# Altium PCB Thunderscope_Rev5.PCBDOC (part 5 of 7)
Units mm, origin at the board's own origin, x right, y up, seen from the top; angles counter-clockwise.
Board outline 119 x 103.6 mm, 6 copper layers (Top Layer, Int1 (GND), Int2 (Sign), Int3 (Sign), Int4 (GND), Bottom Layer), stack 1.49 mm thick; 745 components, 417 nets, 2478 pads, 1216 vias.
Unrouted connection lines stored in the file: 495.
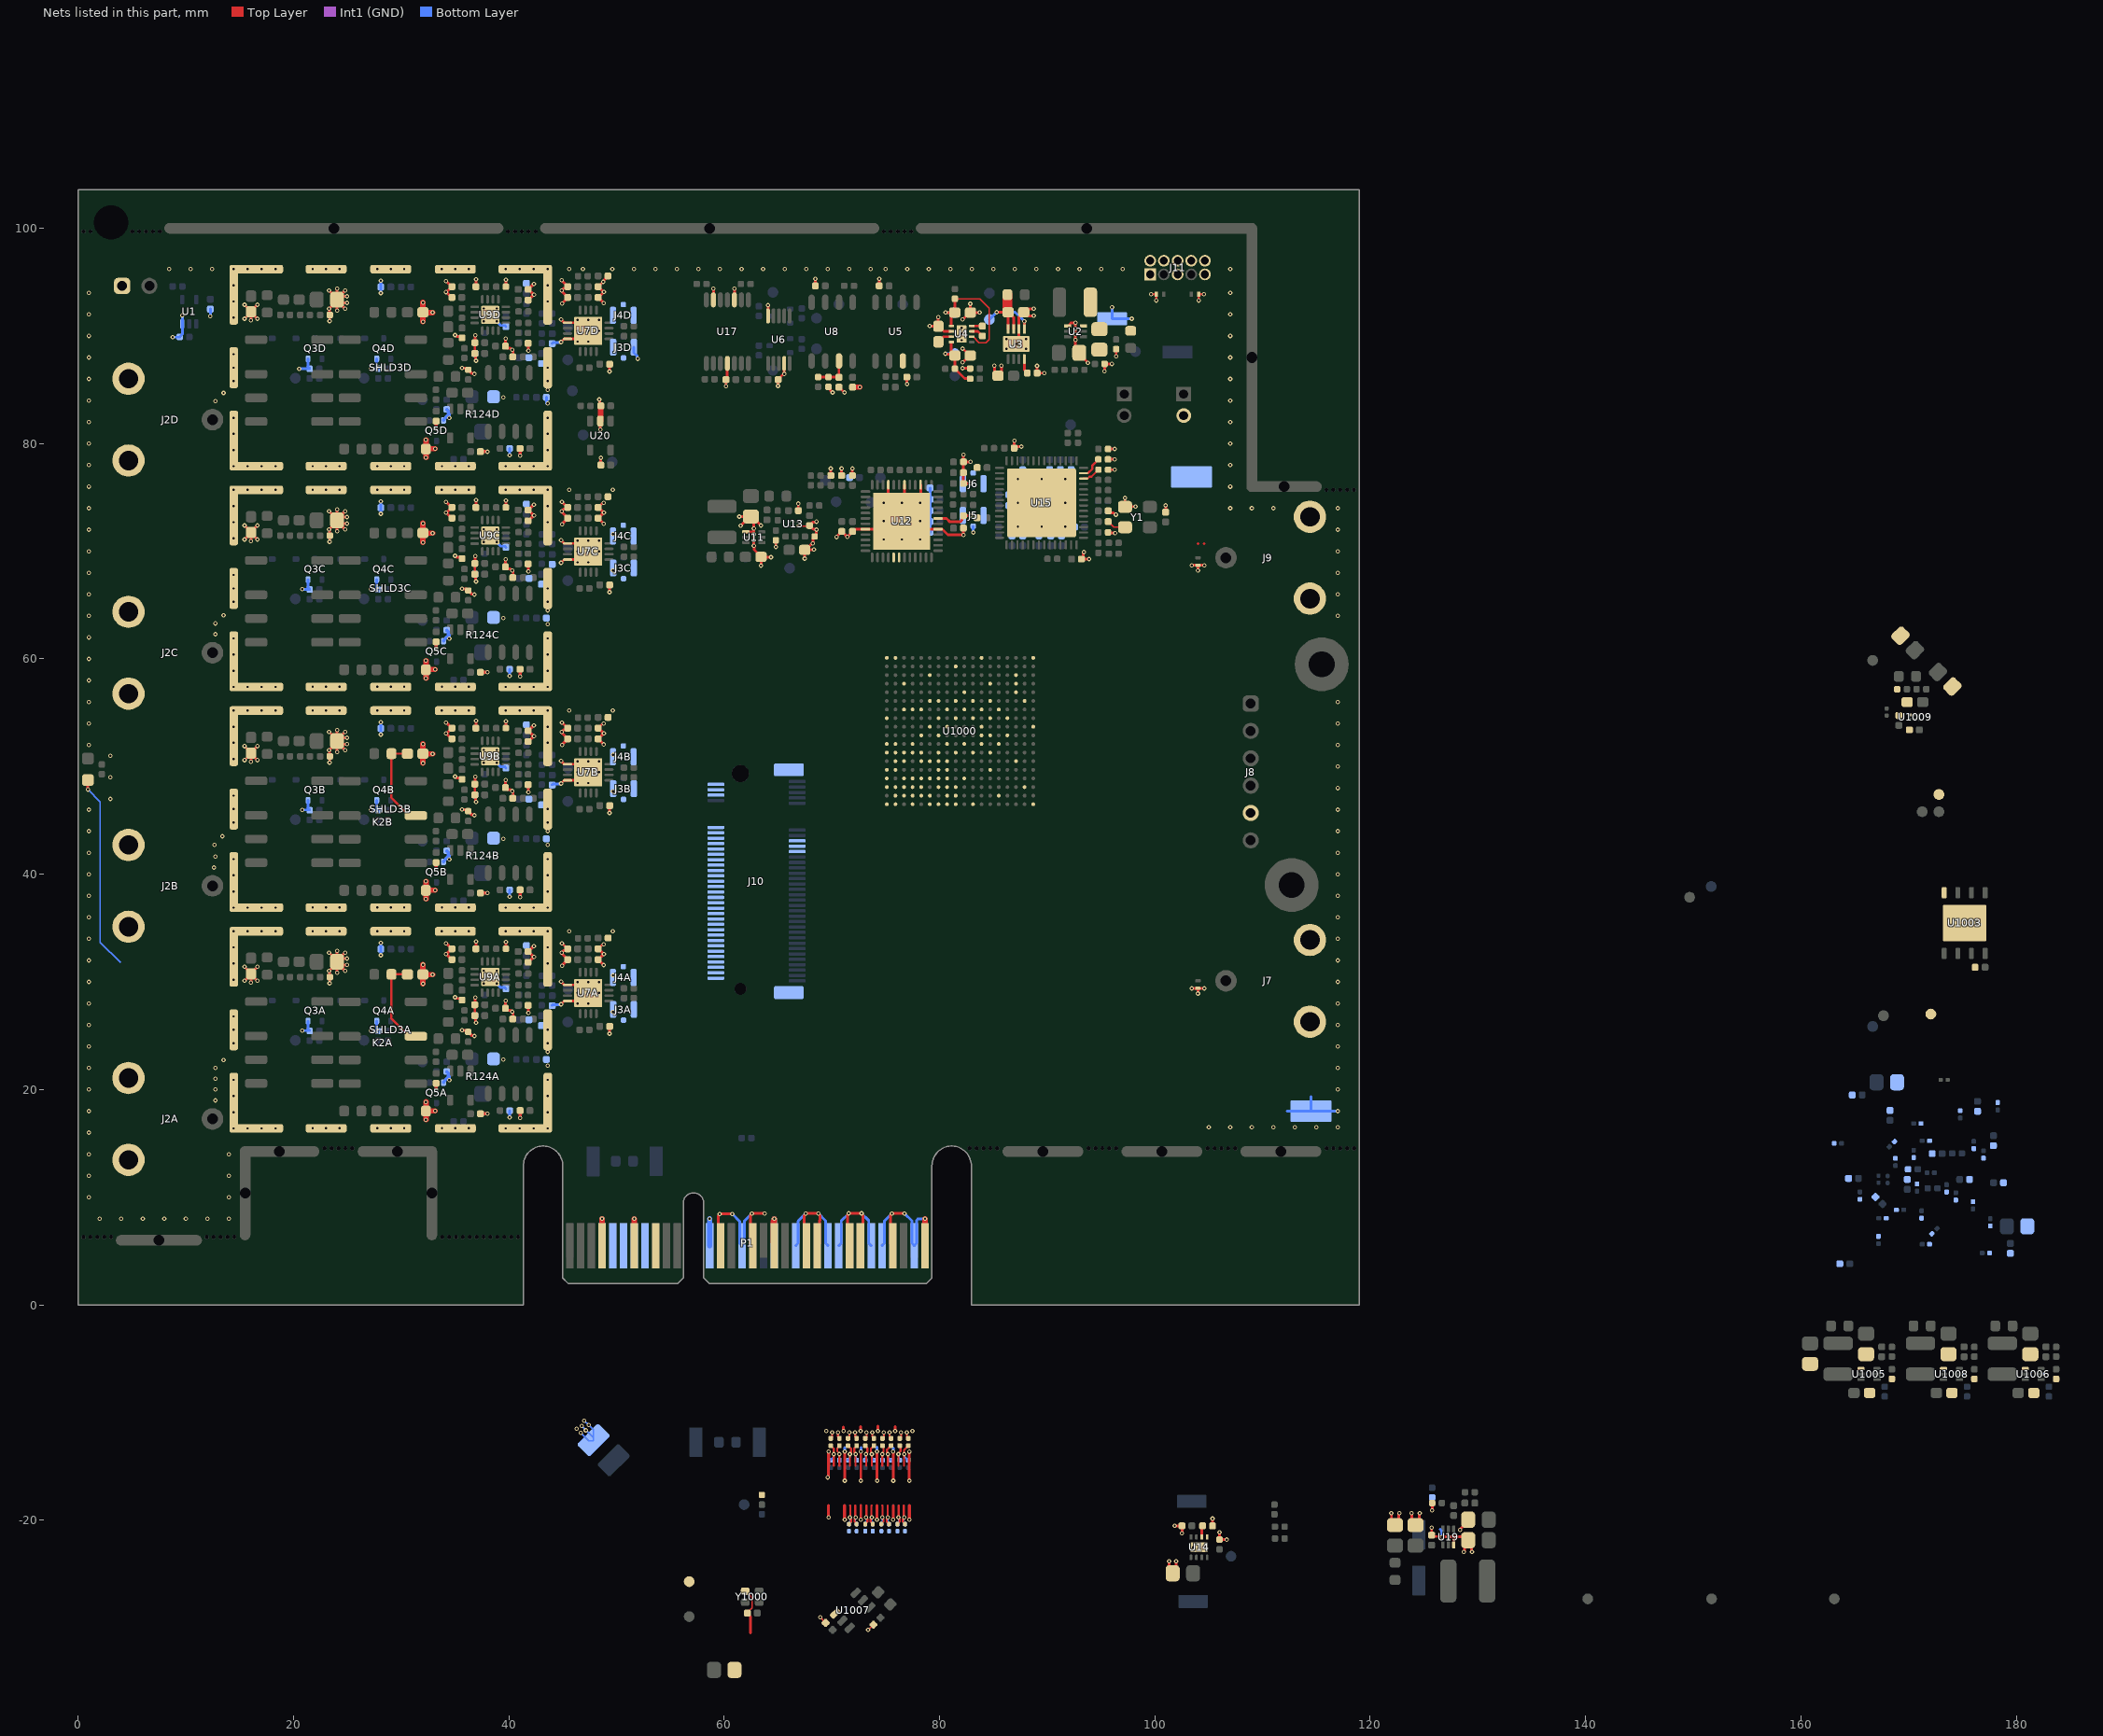
[diagram p9: the nets of this part, all layers, seen from the top]

## Via types
v1: diameter 0.406, hole 0.203, Top Layer to Bottom Layer, tented both sides, 1216 vias

## Nets (pads, with @x,y where several pads share a name; then routed paths per layer and width w, separated by ;. In a path a pad name is that pad's centre, name@x,y a point inside that pad or via, vN(x,y) a via of type N, cw(c..) or ccw(c..) an arc to the next point about the centre after c; other vN are vias at no path point) (continued)
GND: C1.2 C2.1 C3.1 C4.1 C5.1 C6.1 C7.1 C8.1 C10.1 C11.1 C12.2 C13.1 C14.1 C17.2 C18.1 C19.1 C20A.2 C20B.2 C20C.2 C20D.2 C22A.1 C22B.1 C22C.1 C22D.1 C23A.1 C23B.1 C23C.1 C23D.1 C28A.2 C28B.2 C28C.2 C28D.2 C29A.1 C29B.1 C29C.1 C29D.1 C31A.2 C31B.2 C31C.2 C31D.2 C32A.1 C32B.1 C32C.1 C32D.1 C33A.1 C33B.1 C33C.1 C33D.1 C34A.1 C34B.1 C34C.1 C34D.1 C35A.1 C35B.1 C35C.1 C35D.1 C36A.1 C36B.1 C36C.1 C36D.1 C37A.1 C37B.1 C37C.1 C37D.1 C38A.2 C38B.2 C38C.2 C38D.2 C39A.2 C39B.2 C39C.2 C39D.2 C41.1 C42.1 C43.1 C44.1 C45.1 C46.1 C47.1 C48.1 C49.1 C50.1 C52.1 C53.1 C54.1 C55.1 C56.1 C57.1 C58.1 C59.1 C60.1 C61.1 C63A.2 C63B.2 C63C.2 C63D.2 C64A.1 C64B.1 C64C.1 C64D.1 C78A.1 C78B.1 C78C.1 C78D.1 C82.2 C83.2 C84.2 C85.2 C86.2 C87.2 C88.2 C89.2 C90.2 C91.1 C92.1 C93.2 C94.2 C95.2 C97.2 C99.2 C101A.1 C101B.1 C101C.1 C101D.1 C102A.1 C102B.1 C102C.1 C102D.1 C107.1 C108A.1 C108B.1 C108C.1 C108D.1 C109A.2 C109B.2 C109C.2 C109D.2 C110A.2 C110B.2 C110C.2 C110D.2 C111A.1 C111B.1 C111C.1 C111D.1 C112.2 C113.2 C114.2 C115.2 C116.2 C119.1 C120.1 C121.2 C122.1 C123.1 C124A.2 C124B.2 C124C.2 C124D.2 C125.1 C126.1 C127A.1 C127B.1 C127C.1 C127D.1 C128A.1 C128B.1 C128C.1 C128D.1 C129A.2 C129B.2 C129C.2 C129D.2 C130A.2 C130B.2 C130C.2 C130D.2 C131A.2 C131B.2 C131C.2 C131D.2 C132A.1 C132B.1 C132C.1 C132D.1 C133A.2 C133B.2 C133C.2 C133D.2 C134.1 C1000.2 C1028.2 C1029.1 C1030.1 C1031.1 C1032.1 C1033.1 C1034.1 C1035.1 C1036.1 C1037.1 C1038.1 C1039.1 C1040.1 C1041.1 C1042.1 C1043.1 C1044.1 C1045.1 C1046.1 C1047.1 C1048.1 C1049.1 C1050.1 C1051.1 C1052.1 C1053.1 C1054.1 C1055.1 C1056.1 C1057.1 C1058.1 C1059.1 C1060.1 C1061.1 C1062.1 C1063.1 C1065.1 C1066.1 C1067.1 C1068.1 C1069.1 C1070.1 C1072.1 C1073.1 C1074.1 C1076.1 C1077.1 C1078.1 C1079.1 C1081.1 C1082.1 C1083.1 C1084.1 C1085.1 D4.2 D5.2 D6.2 D7.2 FB1000.2 J1.1 J2A.2 J2B.2 J2C.2 J2D.2 J3A.2 J3B.2 J3C.2 J3D.2 J4A.2 J4B.2 J4C.2 J4D.2 J5.2 J6.2 J7.2 J8.5 J9.2 J10.2 J10.4 J10.10 J10.16 J10.22 J10.28 J10.34 J10.40 J10.46 J10.52 J10.58 J10.70 J10.72 J10.74 J10.76 J10.77 J11.1 J11.2 J11.4 J11.5 J11.6 J11.8 J11.9 J11.10 J13.2 P1.A4 P1.A12 P1.A15 P1.A18 P1.A20 P1.A23 P1.A24 P1.A27 P1.A28 P1.A31 P1.B4 P1.B7 P1.B13 P1.B16 P1.B18 P1.B21 P1.B22 P1.B25 P1.B26 P1.B29 P1.B32 Q3A.3 Q3B.3 Q3C.3 Q3D.3 Q4A.3 Q4B.3 Q4C.3 Q4D.3 Q5A.3 Q5B.3 Q5C.3 Q5D.3 R2.1 R6.2 R13.1 R25.1 R26.1 R27.1 R35A.1 R35B.1 R35C.1 R35D.1 R38.1 R39.1 R41A.1 R41B.1 R41C.1 R41D.1 R46.2 R49A.1 R49B.1 R49C.1 R49D.1 R50A.1 R50B.1 R50C.1 R50D.1 R61.1 R92.1 R105.1 R114.1 R115.2 R120A.1 R120B.1 R120C.1 R120D.1 R122A.1 R122B.1 R122C.1 R122D.1 R123A.1 R123B.1 R123C.1 R123D.1 R124A.3 R124B.3 R124C.3 R124D.3 R127A.1 R127B.1 R127C.1 R127D.1 R1049.1 R1054.1 R1060.1 R1061.1 SHLD3A.1 SHLD3B.1 SHLD3C.1 SHLD3D.1 TP5.1 TP6.1 TP1003.1 TP1010.1 TP1012.1 U1.3 U2.4 U3.6 U3.9 U4.2 U4.9 U5.3 U6.4 U6.10 U7A.5 U7A.8 U7A.17 U7B.5 U7B.8 U7B.17 U7C.5 U7C.8 U7C.17 U7D.5 U7D.8 U7D.17 U9A.17 U9B.17 U9C.17 U9D.17 U11.1 U12.8 U12.29 U12.31 U12.39 U12.42 U12.45 U12.49 U13.C1 U14.5 U14.9 U15.57 U17.3 U17.6 U17.11 U19.3 U20.2 U1000.A1 U1000.A5 U1000.A7 U1000.A8 U1000.A11 U1000.A18 U1000.B3 U1000.B7 U1000.B8 U1000.B18 U1000.C2 U1000.C6 U1000.C7 U1000.C15 U1000.D3 U1000.D4 U1000.D7 U1000.D12 U1000.E2 U1000.E6 U1000.E7 U1000.E9 U1000.E12 U1000.F4 U1000.F6 U1000.F10 U1000.F13 U1000.F16 U1000.G1 U1000.G5 U1000.G6 U1000.G7 U1000.G9 U1000.G11 U1000.G13 U1000.H3 U1000.H4 U1000.H5 U1000.H6 U1000.H8 U1000.H10 U1000.H12 U1000.J1 U1000.J2 U1000.J3 U1000.J7 U1000.J11 U1000.J13 U1000.J17 U1000.K4 U1000.K8 U1000.K12 U1000.K14 U1000.L1 U1000.L7 U1000.L11 U1000.L13 U1000.M8 U1000.M9 U1000.M10 U1000.M12 U1000.M18 U1000.N5 U1000.N7 U1000.N9 U1000.N11 U1000.N13 U1000.N15 U1000.P2 U1000.P8 U1000.P12 U1000.R9 U1000.R11 U1000.T6 U1000.T16 U1000.U3 U1000.U13 U1000.V1 U1000.V10 U1000.V18 U1003.4 U1003.9 U1005.1 U1006.1 U1007.4 U1008.1 U1009.C1 Y1.2 Y1000.2 | length 478.7
  Top Layer w0.127: Y1000.2@61.996,-26.596 62.604,-27.204 62.604,-28.163 C1000.2@62.144,-28.623 ; U13.C1@66.825,72.35 C61.1@67.925,72.35 ; v1(68.912,-29.009) 68.912,-29.018 69.416,-29.523 C1076.1@69.416,-29.533 C1076.1@69.423,-29.533 ; v1@73.371,-30.184 C1077.1@73.851,-29.704 ; U15.57@89.475,74.5 U15.57@92.225,77.25
  Top Layer w0.25: v1(34.167,32.575) v1@34.197,32.575 ; v1(34.167,53.075) v1@34.197,53.075 ; v1(34.167,73.575) v1@34.197,73.575 ; v1(34.167,94.075) v1@34.197,94.075 ; v1@34.198,33.575 C38A.2@34.697,33.075 ; v1@34.198,54.075 C38B.2@34.697,53.575 ; v1@34.198,74.575 C38C.2@34.697,74.075 ; v1@34.198,95.075 C38D.2@34.697,94.575 ; C63A.2@34.715,32.07 34.702,32.07 v1@34.197,32.575 ; C38A.2@34.715,33.075 C38A.2@34.697,33.075 ; C63B.2@34.715,52.57 34.702,52.57 v1@34.197,53.075 ; C38B.2@34.715,53.575 C38B.2@34.697,53.575 ; C63C.2@34.715,73.07 34.702,73.07 v1@34.197,73.575 ; C38C.2@34.715,74.075 C38C.2@34.697,74.075 ; C63D.2@34.715,93.57 34.702,93.57 v1@34.197,94.075 ; C38D.2@34.715,94.575 C38D.2@34.697,94.575 ; v1(35.65,25.525) 35.68,25.495 R122A.1@36.093,25.495 ; v1(35.65,46.025) 35.68,45.995 R122B.1@36.093,45.995 ; v1(35.65,66.525) 35.68,66.495 R122C.1@36.093,66.495 ; v1(35.65,87.025) 35.68,86.995 R122D.1@36.093,86.995 ; R122A.1@36.225,25.35 36.236,25.35 36.581,25.005 36.745,25.005 v1@36.775,24.975 ; R122B.1@36.225,45.85 36.236,45.85 36.581,45.505 36.745,45.505 v1@36.775,45.475 ; R122C.1@36.225,66.35 36.236,66.35 36.581,66.005 36.745,66.005 v1@36.775,65.975 ; R122D.1@36.225,86.85 36.236,86.85 36.581,86.505 36.745,86.505 v1@36.775,86.475 ; v1(36.875,28.551) 36.858,28.533 36.858,27.893 C108A.1@36.84,27.875 C109A.2@36.84,26.875 36.92,26.795 36.92,26.23 v1(36.95,26.2) ; v1(36.875,49.051) 36.858,49.033 36.858,48.393 C108B.1@36.84,48.375 C109B.2@36.84,47.375 36.92,47.295 36.92,46.73 v1(36.95,46.7) ; v1(36.875,69.551) 36.858,69.533 36.858,68.893 C108C.1@36.84,68.875 C109C.2@36.84,67.875 36.92,67.795 36.92,67.23 v1(36.95,67.2) ; v1(36.875,90.051) 36.858,90.033 36.858,89.393 C108D.1@36.84,89.375 C109D.2@36.84,88.375 36.92,88.295 36.92,87.73 v1(36.95,87.7) ; C64A.1@36.94,33.075 36.945,33.08 36.945,33.746 v1(36.95,33.751) ; C64B.1@36.94,53.575 36.945,53.58 36.945,54.246 v1(36.95,54.251) ; C64C.1@36.94,74.075 36.945,74.08 36.945,74.746 v1(36.95,74.751) ; C64D.1@36.94,94.575 36.945,94.58 36.945,95.246 v1(36.95,95.251) ; v1(39.7,28.25) 39.693,28.243 39.693,27.558 C127A.1@39.685,27.55 39.858,27.377 40.131,27.377 40.283,27.225 v1(40.325,27.225) 40.325,27.183 40.396,27.112 C37A.1@40.396,26.832 ; v1(39.7,48.75) 39.693,48.743 39.693,48.058 C127B.1@39.685,48.05 39.858,47.877 40.131,47.877 40.283,47.725 v1(40.325,47.725) 40.325,47.683 40.396,47.612 C37B.1@40.396,47.332 ; v1(39.7,69.25) 39.693,69.243 39.693,68.558 C127C.1@39.685,68.55 39.858,68.377 40.131,68.377 40.283,68.225 v1(40.325,68.225) 40.325,68.183 40.396,68.112 C37C.1@40.396,67.832 ; v1(39.7,89.75) 39.693,89.743 39.693,89.058 C127D.1@39.685,89.05 39.858,88.877 40.131,88.877 40.283,88.725 v1(40.325,88.725) 40.325,88.683 40.396,88.612 C37D.1@40.396,88.332 ; C28A.2@41.785,27.825 41.8,27.81 41.8,27.15 v1(41.815,27.135) ; C28B.2@41.785,48.325 41.8,48.31 41.8,47.65 v1(41.815,47.635) ; C28C.2@41.785,68.825 41.8,68.81 41.8,68.15 v1(41.815,68.135) ; C28D.2@41.785,89.325 41.8,89.31 41.8,88.65 v1(41.815,88.635) ; v1(44.85,27.925) 45.15,28.225 U7A.17@46.625,28.225 ; v1(44.85,30.025) 45.15,29.725 U7A.5@45.45,29.725 46.625,29.725 v1(47.375,28.975) ; v1(44.85,48.425) 45.15,48.725 U7B.17@46.625,48.725 ; v1(44.85,50.525) 45.15,50.225 U7B.5@45.45,50.225 46.625,50.225 v1(47.375,49.475) ; v1(44.85,68.925) 45.15,69.225 U7C.17@46.625,69.225 ; v1(44.85,71.025) 45.15,70.725 U7C.5@45.45,70.725 46.625,70.725 v1(47.375,69.975) ; v1(44.85,89.425) 45.15,89.725 U7D.17@46.625,89.725 ; v1(44.85,91.525) 45.15,91.225 U7D.5@45.45,91.225 U7D.17@46.625,91.225 ; v1(87.125,89.25) 87.375,89.5 U3.6@87.375,90.645 87.375,91.744 87.82,92.189 C6.1@87.82,92.2 ; v1@34.198,32.575 C38A.2@34.697,33.075 ; v1@34.198,53.075 C38B.2@34.697,53.575 ; v1@34.198,73.575 C38C.2@34.697,74.075 ; v1@34.198,94.075 C38D.2@34.697,94.575
  Top Layer w0.254: v1(15.45,30.1) C22A.1@16.05,30.7 ; v1(15.45,31.4) C22A.1@16.05,30.8 ; v1(15.45,50.6) C22B.1@16.05,51.2 ; v1(15.45,51.9) C22B.1@16.05,51.3 ; v1(15.45,71.1) C22C.1@16.05,71.7 ; v1(15.45,72.4) C22C.1@16.05,71.8 ; v1(15.45,91.6) C22D.1@16.05,92.2 ; v1(15.45,92.9) C22D.1@16.05,92.3 ; v1(16.05,29.95) C22A.1@16.05,30.7 ; v1(16.05,50.45) C22B.1@16.05,51.2 ; v1(16.05,70.95) C22C.1@16.05,71.7 ; v1(16.05,91.45) C22D.1@16.05,92.2 ; v1(16.65,30.1) C22A.1@16.05,30.7 ; v1(16.65,31.4) C22A.1@16.05,30.8 ; v1(16.65,50.6) C22B.1@16.05,51.2 ; v1(16.65,51.9) C22B.1@16.05,51.3 ; v1(16.65,71.1) C22C.1@16.05,71.7 ; v1(16.65,72.4) C22C.1@16.05,71.8 ; v1(16.65,91.6) C22D.1@16.05,92.2 ; v1(16.65,92.9) C22D.1@16.05,92.3 ; v1(23.3,32.725) C23A.1@24.05,31.975 ; v1(23.3,53.225) C23B.1@24.05,52.475 ; v1(23.3,73.725) C23C.1@24.05,72.975 ; v1(23.3,94.225) C23D.1@24.05,93.475 ; v1(23.35,29.875) 23.362,29.887 23.362,30.437 R35A.1@23.375,30.45 23.329,30.496 23.329,30.996 v1(23.3,31.025) C23A.1@24.05,31.775 ; v1(23.35,50.375) 23.362,50.387 23.362,50.937 R35B.1@23.375,50.95 23.329,50.996 23.329,51.496 v1(23.3,51.525) C23B.1@24.05,52.275 ; v1(23.35,70.875) 23.362,70.887 23.362,71.437 R35C.1@23.375,71.45 23.329,71.496 23.329,71.996 v1(23.3,72.025) C23C.1@24.05,72.775 ; v1(23.35,91.375) 23.362,91.387 23.362,91.937 R35D.1@23.375,91.95 23.329,91.996 23.329,92.496 v1(23.3,92.525) C23D.1@24.05,93.275 ; v1(24.05,30.85) C23A.1@24.05,31.775 ; v1(24.05,32.9) C23A.1@24.05,31.975 ; v1(24.05,51.35) C23B.1@24.05,52.275 ; v1(24.05,53.4) C23B.1@24.05,52.475 ; v1(24.05,71.85) C23C.1@24.05,72.775 ; v1(24.05,73.9) C23C.1@24.05,72.975 ; v1(24.05,92.35) C23D.1@24.05,93.275 ; v1(24.05,94.4) C23D.1@24.05,93.475 ; C23A.1@24.349,32.174 v1@24.974,32.174 ; C23B.1@24.349,52.674 v1@24.974,52.674 ; C23C.1@24.349,73.174 v1@24.974,73.174 ; C23D.1@24.349,93.674 v1@24.974,93.674 ; v1(24.8,31.025) C23A.1@24.05,31.775 ; v1(24.8,32.725) C23A.1@24.05,31.975 ; v1(24.8,51.525) C23B.1@24.05,52.275 ; v1(24.8,53.225) C23B.1@24.05,52.475 ; v1(24.8,72.025) C23C.1@24.05,72.775 ; v1(24.8,73.725) C23C.1@24.05,72.975 ; v1(24.8,92.525) C23D.1@24.05,93.275 ; v1(24.8,94.225) C23D.1@24.05,93.475 ; v1(24.975,31.575) 24.974,31.576 24.349,31.576 C23A.1@24.05,31.875 ; v1(24.975,52.075) 24.974,52.076 24.349,52.076 C23B.1@24.05,52.375 ; v1(24.975,72.575) 24.974,72.576 24.349,72.576 C23C.1@24.05,72.875 ; v1(24.975,93.075) 24.974,93.076 24.349,93.076 C23D.1@24.05,93.375 ; v1(35,28.575) 35.041,28.575 35.154,28.462 35.485,28.462 C29A.1@35.632,28.315 ; v1(35,49.075) 35.041,49.075 35.154,48.962 35.485,48.962 C29B.1@35.632,48.815 ; v1(35,69.575) 35.041,69.575 35.154,69.462 35.485,69.462 C29C.1@35.632,69.315 ; v1(35,90.075) 35.041,90.075 35.154,89.962 35.485,89.962 C29D.1@35.632,89.815 ; R120A.1@39.725,33.075 v1(39.725,33.705) ; R120B.1@39.725,53.575 v1(39.725,54.205) ; R120C.1@39.725,74.075 v1(39.725,74.705) ; R120D.1@39.725,94.575 v1(39.725,95.205) ; C39A.2@41.785,32.825 C39A.2@41.803,32.825 ; C39B.2@41.785,53.325 C39B.2@41.803,53.325 ; C39C.2@41.785,73.825 C39C.2@41.803,73.825 ; C39D.2@41.785,94.325 C39D.2@41.803,94.325 ; C78A.1@41.93,31.68 C78A.1@41.785,31.825 41.803,31.825 42.299,32.321 v1@42.307,32.321 ; C78B.1@41.93,52.18 C78B.1@41.785,52.325 41.803,52.325 42.299,52.821 v1@42.307,52.821 ; C78C.1@41.93,72.68 C78C.1@41.785,72.825 41.803,72.825 42.299,73.321 v1@42.307,73.321 ; C78D.1@41.93,93.18 C78D.1@41.785,93.325 41.803,93.325 42.299,93.821 v1@42.307,93.821 ; v1(42.325,33.325) 42.303,33.325 C39A.2@41.803,32.825 ; v1(42.325,53.825) 42.303,53.825 C39B.2@41.803,53.325 ; v1(42.325,74.325) 42.303,74.325 C39C.2@41.803,73.825 ; v1(42.325,94.825) 42.303,94.825 C39D.2@41.803,94.325 ; v1(42.336,32.321) v1@42.307,32.321 ; v1(42.336,52.821) v1@42.307,52.821 ; v1(42.336,73.321) v1@42.307,73.321 ; v1(42.336,93.821) v1@42.307,93.821 ; v1(44.9,95.175) 44.9,95.158 45.465,94.592 C34D.1@45.465,94.575 45.292,94.402 45.077,94.402 v1(44.9,94.225) 44.929,94.196 44.929,94.124 45.465,93.588 45.465,93.557 44.99,93.082 44.99,93.022 v1(44.961,92.993) ; v1(44.933,33.592) 44.94,33.592 45.457,33.075 C34A.1@45.465,33.075 45.292,32.902 45.077,32.902 v1(44.9,32.725) 44.929,32.696 44.929,32.624 45.465,32.088 45.465,32.057 44.99,31.582 44.99,31.522 v1(44.961,31.493) ; v1(44.933,54.092) 44.94,54.092 45.457,53.575 C34B.1@45.465,53.575 45.292,53.402 45.077,53.402 v1(44.9,53.225) 44.929,53.196 44.929,53.124 45.465,52.588 45.465,52.557 44.99,52.082 44.99,52.022 v1(44.961,51.993) ; v1(44.933,74.592) 44.94,74.592 45.457,74.075 C34C.1@45.465,74.075 45.292,73.902 45.077,73.902 v1(44.9,73.725) 44.929,73.696 44.929,73.624 45.465,73.088 45.465,73.057 44.99,72.582 44.99,72.522 v1(44.961,72.493) ; C33A.1@48.285,32.075 C33A.1@48.293,32.075 ; C33B.1@48.285,52.575 C33B.1@48.293,52.575 ; C33C.1@48.285,73.075 C33C.1@48.293,73.075 ; C33D.1@48.285,93.575 C33D.1@48.293,93.575 ; C35A.1@48.293,33.075 C35A.1@48.303,33.075 ; C35B.1@48.293,53.575 C35B.1@48.303,53.575 ; C35D.1@48.293,94.575 C35D.1@48.303,94.575 ; v1(48.397,84.097) 48.426,84.067 48.426,83.614 C125.1@48.54,83.5 ; v1(48.5,81.3) U20.2@48.5,82.1 ; C126.1@48.54,78 48.54,78.665 v1(48.55,78.675) ; v1(48.8,33.5) 48.771,33.471 48.699,33.471 C35A.1@48.303,33.075 ; v1(48.8,54) 48.771,53.971 48.699,53.971 C35B.1@48.303,53.575 ; v1(48.8,74.5) 48.771,74.471 48.699,74.471 C35C.1@48.303,74.075 ; v1(48.818,31.559) 48.809,31.559 C33A.1@48.293,32.075 ; v1(48.818,52.059) 48.809,52.059 C33B.1@48.293,52.575 ; v1(48.818,72.559) 48.809,72.559 C33C.1@48.293,73.075 ; v1(48.818,93.059) 48.809,93.059 C33D.1@48.293,93.575 ; v1(48.836,32.579) v1@48.807,32.579 ; v1(48.836,53.079) v1@48.807,53.079 ; v1(48.836,73.579) v1@48.807,73.579 ; v1(48.836,94.079) v1@48.807,94.079 ; C132D.1@49.21,95.575 49.21,95.557 48.804,95.151 48.804,95.054 v1(48.775,95.025) 48.753,95.025 C35D.1@48.303,94.575 ; v1(49.35,25.199) 49.355,25.204 49.355,25.87 C36A.1@49.36,25.875 ; v1(49.35,45.699) 49.355,45.704 49.355,46.37 C36B.1@49.36,46.375 ; v1(49.35,66.199) 49.355,66.204 49.355,66.87 C36C.1@49.36,66.875 ; v1(49.35,86.699) 49.355,86.704 49.355,87.37 C36D.1@49.36,87.375 ; U17.6@59,93.35 v1(59,94.4) ; P1.B13@59.65,5.5 59.439,5.711 59.439,8.272 59.575,8.409 v1(59.575,8.45) 59.592,8.467 60.734,8.467 v1(60.75,8.45) ; v1@60.165,85.326 C107.1@60.165,85.95 60.262,86.047 60.262,87.412 U17.11@60.3,87.45 ; U17.3@60.95,93.35 v1(60.95,94.4) ; v1(61.395,73.225) C53.1@62.475,73.225 ; v1(61.525,72.375) 62.263,73.113 C53.1@62.288,73.113 ; Y1000.2@61.95,-26.6 Y1000.2@61.996,-26.554 ; U11.1@62.01,71.8 62.75,71.8 ; C1000.2@62.144,-28.623 62.144,-28.641 62.429,-28.926 62.429,-30.473 ; P1.B16@62.65,5.5 62.439,5.711 62.439,8.317 62.575,8.453 v1(62.575,8.494) 62.592,8.511 63.734,8.511 v1(63.75,8.494) ; v1(63.425,68.67) C52.1@63.425,69.475 ; v1(63.425,72.4) 63.412,72.4 62.737,73.076 C53.1@62.624,73.076 ; U6.10@64.075,91.85 v1(64.075,92.85) ; v1(64.35,69.45) 64.338,69.463 63.437,69.463 C52.1@63.425,69.475 ; 64.427,7.818 64.427,5.723 P1.B18@64.65,5.5 ; v1(64.8,70.4) R39.1@64.8,71.025 ; v1(64.995,85.35) 65.002,85.357 65.002,85.975 65.474,86.446 65.546,86.446 v1(65.575,86.475) U6.4@65.575,87.45 ; v1(66.875,74.425) 66.88,74.42 66.88,73.78 C59.1@66.885,73.775 ; v1(67.475,69.32) C60.1@67.475,70.125 67.667,70.125 67.692,70.15 67.704,70.138 68.318,70.138 v1(68.33,70.15) ; C60.1@67.64,70.202 68.133,70.696 68.196,70.696 v1(68.225,70.725) 68.254,70.754 68.254,71.229 68.542,71.517 68.542,71.981 v1(68.571,72.01) 68.525,72.056 68.277,72.056 C61.1@67.943,72.39 ; P1.B21@67.65,5.5 67.439,5.711 67.439,8.306 67.575,8.443 v1(67.575,8.484) 67.592,8.5 68.734,8.5 v1(68.75,8.484) 68.75,8.443 68.886,8.306 68.886,7.854 68.873,7.84 68.873,5.723 P1.B22@68.65,5.5 ; C61.1@67.925,72.39 C61.1@67.943,72.39 ; C17.2@68.465,94.65 68.467,94.652 68.467,95.298 v1(68.47,95.3) ; v1(68.575,72.75) 68.534,72.75 68.495,72.711 68.264,72.711 C61.1@67.943,72.39 ; v1(69.616,-16.02) 69.616,-15.979 69.669,-15.926 69.669,-14.963 69.692,-14.94 ; R25.1@69.675,85.275 69.834,85.116 69.834,84.991 v1(70.075,84.75) ; 69.692,-18.64 69.695,-18.644 69.695,-19.717 v1(69.699,-19.72) ; v1(69.9,77.687) 69.904,77.683 69.904,77.04 C42.1@69.907,77.037 ; v1(70.427,71.319) 70.427,71.33 70.922,71.825 C50.1@70.925,71.825 ; C19.1@70.65,85.225 70.683,85.225 71.158,84.75 v1(71.175,84.75) ; v1(70.9,77.687) 70.904,77.683 70.904,77.076 C44.1@70.925,77.054 ; C50.1@70.925,71.84 C50.1@70.925,71.833 ; v1(71.074,-11.712) 71.074,-11.337 ; v1@71.192,-16.329 71.192,-14.94 v1(71.192,-13.634) ; v1(71.425,71.325) v1@71.425,71.332 ; P1.B25@71.65,5.5 71.439,5.711 71.439,8.328 71.575,8.464 v1(71.575,8.506) 71.592,8.522 72.734,8.522 v1(72.75,8.506) 72.75,8.464 72.886,8.328 72.886,7.876 72.873,7.862 72.873,5.723 P1.B26@72.65,5.5 ; v1(71.9,77.687) 71.904,77.683 71.904,77.04 C46.1@71.907,77.037 ; v1(72.674,-11.712) 72.674,-11.287 ; v1(72.692,-19.946) 72.692,-18.64 ; v1@72.692,-16.329 72.692,-14.94 v1(72.692,-13.634) ; v1(74.192,-19.946) 74.192,-18.64 ; v1@74.192,-16.329 74.192,-14.94 v1(74.192,-13.634) ; v1(74.274,-11.712) 74.274,-11.262 ; C12.2@74.395,94.65 74.398,94.653 74.398,95.298 v1(74.4,95.3) ; U12.49@75.243,74.05 U12.45@75.243,76.175 ; P1.B29@75.65,5.5 75.439,5.711 75.439,8.314 75.575,8.45 v1(75.575,8.492) 75.592,8.508 76.734,8.508 v1(76.75,8.492) ; v1(75.692,-19.946) 75.692,-18.64 ; v1@75.692,-16.329 75.692,-14.94 v1(75.692,-13.634) ; v1(75.874,-11.712) 75.874,-11.287 ; U12.49@76.743,73.05 U12.42@76.743,76.175 ; C14.1@76.97,86.175 76.973,86.173 76.973,85.527 v1(76.975,85.525) ; v1@77.192,-16.329 77.192,-14.94 ; 77.192,-14.939 v1(77.193,-13.637) ; U12.49@78.243,74.55 U12.39@78.243,76.175 ; v1(79.085,90.925) 79.098,90.913 79.878,90.913 C11.1@79.883,90.908 ; U12.31@79.868,73.05 80.642,73.05 80.966,72.726 81.917,72.726 82.065,72.875 82.065,73.148 C56.1@82.217,73.3 v1(82.875,73.3) ; v1(79.875,91.756) 79.883,91.748 C11.1@79.883,90.908 ; U4.2@81.091,90.426 80.375,90.426 79.9,90.901 C11.1@79.891,90.901 C11.1@79.883,90.908 ; v1(82.15,87) 82.162,86.988 82.828,86.988 R13.1@82.841,86.976 ; v1(82.15,87.55) 82.17,87.55 82.796,88.176 C5.1@82.808,88.176 ; v1(82.15,88.825) 82.158,88.825 C5.1@82.808,88.176 ; v1(82.15,91.525) 82.801,92.176 C8.1@82.866,92.176 82.858,92.183 82.858,92.973 v1(82.85,92.981) ; C48.1@82.217,72.3 C48.1@82.221,72.296 ; v1(82.217,78.95) C41.1@82.217,78.3 ; v1@82.221,71.504 C48.1@82.221,72.146 ; v1(82.225,71.5) 82.197,71.528 80.772,71.528 80.25,72.05 U12.29@79.868,72.05 77.243,72.05 U12.49@76.493,72.8 75.743,72.05 U12.8@73.118,72.05 72.153,72.05 71.943,71.84 C47.1@71.925,71.84 71.925,71.833 71.426,71.333 v1@71.424,71.333 ; C5.1@82.866,88.176 C5.1@82.808,88.176 ; C8.1@82.866,92.176 v1(83.721,92.175) ; v1(82.867,76.3) C45.1@82.217,76.3 C41.1@82.217,78.3 ; v1(82.867,78.3) C41.1@82.217,78.3 ; C7.1@85.1,86.38 v1(85.1,87.23) ; C7.1@85.75,86.38 v1(85.75,87.23) ; v1(86.95,80.25) 86.943,80.243 86.943,79.582 C112.2@86.935,79.575 87.085,79.725 v1(87.6,79.725) ; C6.1@87.9,91.875 v1(88.75,91.875) ; C6.1@87.9,92.525 v1(88.75,92.525) ; v1(89.06,87.225) C10.1@89.06,86.55 v1(89.735,86.55) ; U2.4@91.885,90.925 92.07,90.925 92.093,90.948 92.093,91.076 92.242,91.225 v1(92.625,91.225) v1(92.625,90.692) v1(92.625,90.158) v1(92.625,89.625) 92.625,88.775 C3.1@92.975,88.425 ; C3.1@93.075,88.325 C3.1@92.975,88.425 ; v1(93.4,69.925) 93.4,69.884 93.358,69.841 93.358,69.448 C86.2@93.185,69.275 v1(93.875,69.275) ; v1(93.775,87.5) 93.775,87.513 92.975,88.312 C3.1@92.975,88.425 ; v1(95.325,86.725) R105.1@95.325,87.4 v1(96,87.4) ; R27.1@95.621,78.532 95.624,78.536 96.267,78.536 v1(96.271,78.54) ; R26.1@95.625,77.571 95.629,77.575 96.272,77.575 v1(96.276,77.579) ; R92.1@95.625,79.496 95.629,79.5 96.272,79.5 v1(96.276,79.504) ; C97.2@95.639,71.75 95.685,71.704 96.271,71.704 v1(96.3,71.675) ; C99.2@95.639,73.75 95.812,73.577 96.156,73.577 96.334,73.4 v1(96.375,73.4) ; v1(96.4,88.1) R6.2@96.4,88.775 ; v1(97.221,74.951) 97.225,74.947 97.225,74.304 Y1.2@97.229,74.3 ; Y1.2@97.55,74.146 97.554,74.15 98.197,74.15 v1(98.201,74.154) ; v1(99.645,93.875) D6.2@100.125,93.875 v1(100.125,93.295) ; v1(100.996,74.261) 101,74.257 101,73.614 C116.2@101.004,73.61 ; C91.1@101.325,-24.67 v1(101.325,-23.82) ; v1(101.84,-20.525) C92.1@102.515,-20.525 v1(102.515,-21.2) ; C91.1@101.975,-24.67 v1(101.975,-23.82) ; v1(103.42,29.4) D4.2@104,29.4 ; v1(103.42,68.7) D5.2@104,68.7 ; v1(104,28.92) D4.2@104,29.4 ; v1(104,68.22) D5.2@104,68.7 ; v1(104.075,93.295) D7.2@104.075,93.875 v1(104.555,93.875) ; v1(104.58,29.4) D4.2@104,29.4 ; v1(104.58,68.7) D5.2@104,68.7 ; C4.1@105.35,-20.525 v1(105.35,-19.85) ; v1(106,-21.125) R38.1@106,-21.8 v1(106.675,-21.8) ; C119.1@121.976,-20.126 v1@121.976,-19.376 ; C119.1@122.661,-20.089 v1@122.661,-19.389 ; C120.1@123.876,-20.126 v1@123.876,-19.376 ; C120.1@124.561,-20.089 v1@124.561,-19.389 ; v1(125.7,-20.7) C121.2@125.7,-21.39 125.821,-21.511 126.611,-21.511 v1(126.65,-21.55) v1(127.25,-21.55) 127.6,-21.55 ; v1(125.75,-19.09) R114.1@125.75,-18.4 ; U19.3@127.75,-22.29 127.75,-21.7 127.6,-21.55 ; v1(128.35,-20.9) 128.35,-20.85 129.1,-20.1 C123.1@129.1,-19.95 ; v1(128.7,-22.95) 128.739,-22.911 128.739,-22.211 C122.1@129.1,-21.85 ; v1(129.45,-22.95) 129.424,-22.924 129.424,-22.174 C122.1@129.1,-21.85 ; C22A.1@16.05,30.7 C22A.1@16.05,30.75 ; C22A.1@16.05,30.7 C22A.1@16.05,30.75 ; C22A.1@16.05,30.75 C22A.1@16.05,30.8 ; C22A.1@16.05,30.75 C22A.1@16.05,30.8 ; C22B.1@16.05,51.2 C22B.1@16.05,51.25 ; C22B.1@16.05,51.2 C22B.1@16.05,51.25 ; C22B.1@16.05,51.25 C22B.1@16.05,51.3 ; C22B.1@16.05,51.25 C22B.1@16.05,51.3 ; C22C.1@16.05,71.7 C22C.1@16.05,71.75 ; C22C.1@16.05,71.7 C22C.1@16.05,71.75 ; C22C.1@16.05,71.75 C22C.1@16.05,71.8 ; C22C.1@16.05,71.75 C22C.1@16.05,71.8 ; C22D.1@16.05,92.2 C22D.1@16.05,92.25 ; C22D.1@16.05,92.2 C22D.1@16.05,92.25 ; C22D.1@16.05,92.25 C22D.1@16.05,92.3 ; C22D.1@16.05,92.25 C22D.1@16.05,92.3 ; C23A.1@24.05,31.775 C23A.1@24.05,31.875 ; C23A.1@24.05,31.875 C23A.1@24.05,31.975 ; C23B.1@24.05,52.275 C23B.1@24.05,52.375 ; C23B.1@24.05,52.375 C23B.1@24.05,52.475 ; C23C.1@24.05,72.775 C23C.1@24.05,72.875 ; C23C.1@24.05,72.875 C23C.1@24.05,72.975 ; C23D.1@24.05,93.275 C23D.1@24.05,93.375 ; C23D.1@24.05,93.375 C23D.1@24.05,93.475 ; C39A.2@41.803,32.825 v1@42.307,32.321 ; C39B.2@41.803,53.325 v1@42.307,52.821 ; C39C.2@41.803,73.825 v1@42.307,73.321 ; C39D.2@41.803,94.325 v1@42.307,93.821 ; C33A.1@48.293,32.075 48.303,32.075 v1@48.807,32.579 ; C33B.1@48.293,52.575 48.303,52.575 v1@48.807,53.079 ; C33C.1@48.293,73.075 48.303,73.075 v1@48.807,73.579 ; C33D.1@48.293,93.575 48.303,93.575 v1@48.807,94.079 ; C35A.1@48.303,33.075 48.799,32.579 v1@48.807,32.579 ; C35B.1@48.303,53.575 48.799,53.079 v1@48.807,53.079 ; C35C.1@48.303,74.075 48.293,74.075 C35C.1@48.303,74.075 ; C35C.1@48.303,74.075 48.799,73.579 v1@48.807,73.579 ; C35D.1@48.303,94.575 48.799,94.079 v1@48.807,94.079 ; C53.1@62.475,73.225 C53.1@62.624,73.076 ; C53.1@62.475,73.225 62.326,73.076 C53.1@62.624,73.076 ; C53.1@62.624,73.076 62.75,72.95 v1(62.75,72.1) 62.75,71.8 ; 62.75,71.8 v1(62.75,71.567) v1(62.75,71.033) v1(62.75,70.5) 62.779,70.471 62.779,70.131 63.425,69.485 C52.1@63.425,69.475 ; C50.1@70.925,71.833 v1@71.424,71.333 ; C50.1@70.925,71.833 v1@71.425,71.332 ; 127.6,-21.55 128.8,-21.55 C122.1@129.1,-21.85